# Altium PCB VAMoS Rev C.PcbDoc (part 1 of 2) (continued)
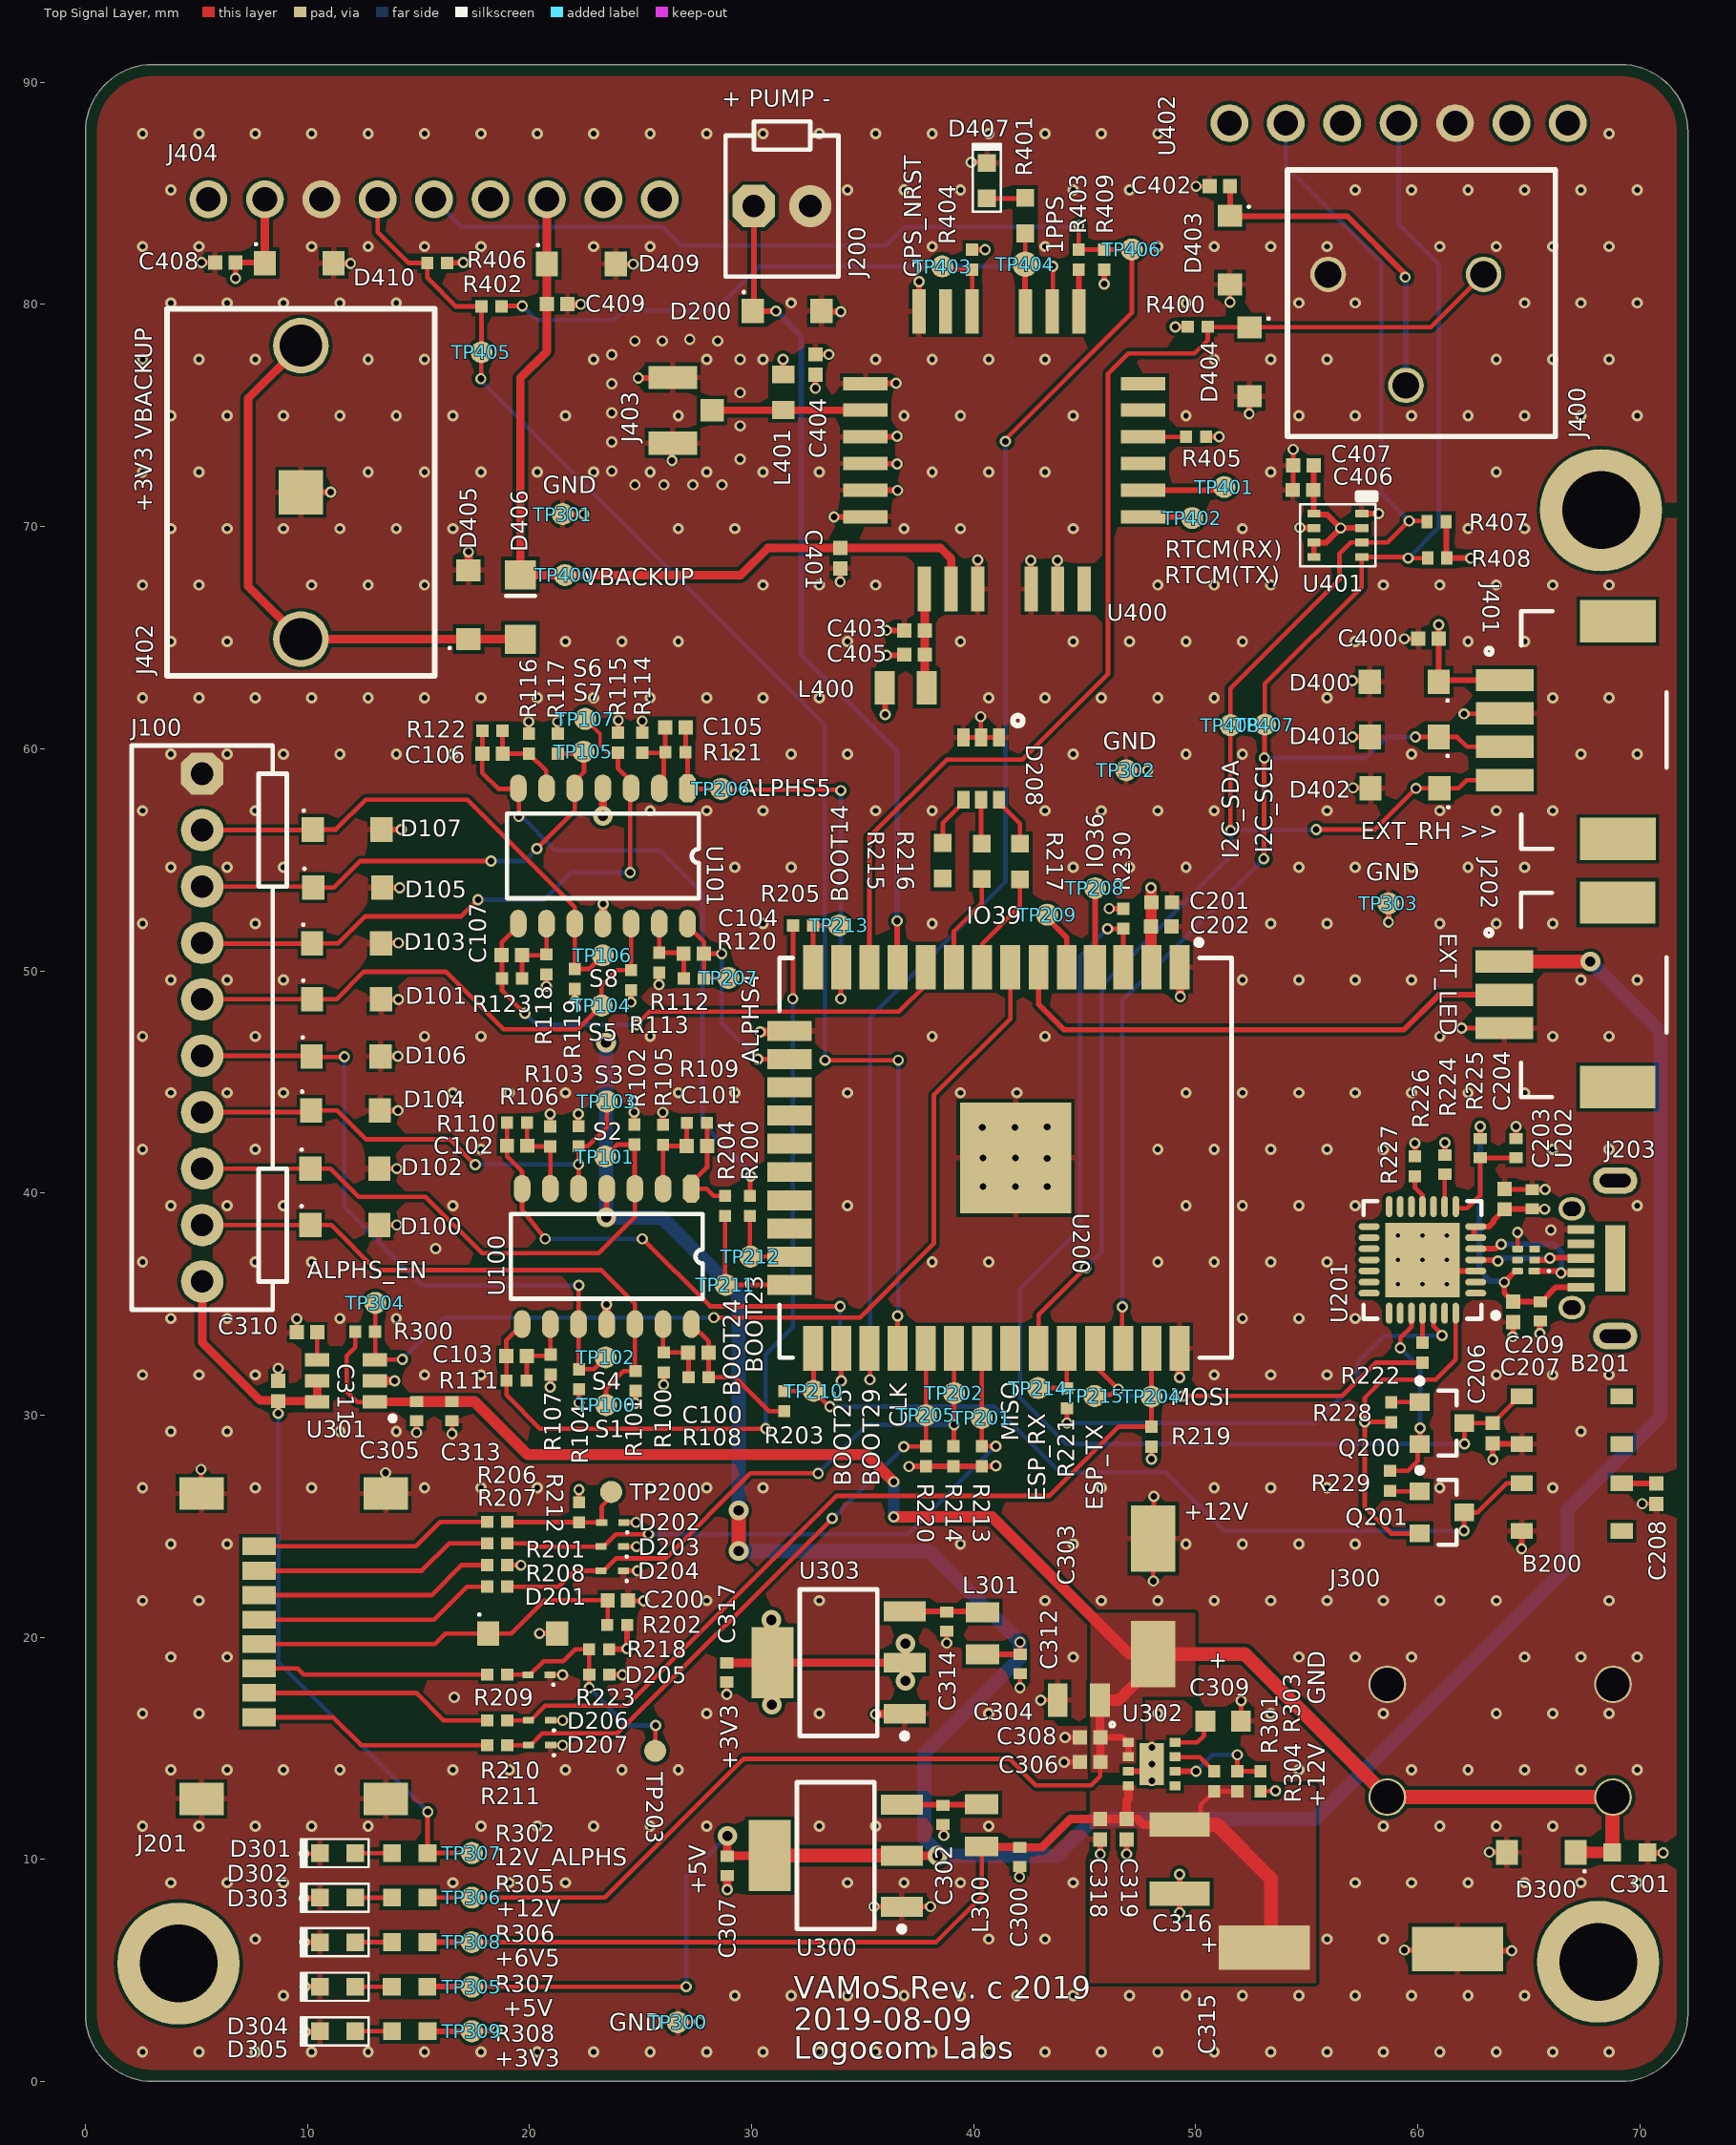
[diagram p0: Top Signal Layer view]
## Part data (continued)
  D301 D302 D303 D304 D305: Digikey PN=511-1578-1-ND
D406: library part "Diode 300mA Gen Purp", "300mA General Purpose", Manufacturer="Diodes Incorporated", Manufacturer Part Number=1N4148W-7-F, Supplier 1=Digi-Key, Supplier Part Number 1=1N4148W-FDICT-ND
J100: library part CON10, "Connector  Phoenix 10 pin", Manufacturer=Molex, Manufacturer Part Number=0022053101, Supplier Part Number 1=WM4308-ND, Supplier 1=Digi-Key
J200: library part CON2, "Connector 2 pin", Manufacturer=Molex, Manufacturer Part Number=0022232023, Supplier Part Number 1=WM19468-ND, Supplier 1=Digi-Key
J201: library part CON12, Manufacturer=Molex, Manufacturer Part Number=0472192001, Supplier Part Number 1=WM6698CT-ND, Supplier 1=Digi-Key
J202: library part "CONN: 3x1", Manufacturer=Molex, Supplier Part Number 1=WM14461CT-ND, Manufacturer Part Number=5025840370, Supplier 1=Digi-Key
J203: library part "USB Shield", Manufacturer=CUI, Manufacturer Part Number=UJ2-MIBH2-4-SMT-TR, Supplier Part Number 1=102-4007-1-ND, Supplier 1=Digi-Key
J300: library part "TERM BLOCK 2POS 45DEG 5.08MM", "5.08mm Spring Cage, Tension Clamp, Pheonix Contact, 2pos, THD", Manufacturer="Phoenix Contact", Supplier Part Number 1=277-6722-ND, Manufacturer Part Number=1790283, Supplier 1=Digi-Key
J400: library part "3POS PHOENIX 1985205", "3POS,THD,TENSION CLAMP,PHOENIX CONTACT", Manufacturer="Phoenix Contact", Supplier Part Number 1=277-1623-ND, Manufacturer Part Number=1985205, Supplier 1=Digi-Key
J401: library part "CONN: 4X1", Manufacturer=Molex, Supplier Part Number 1=WM10615CT-ND, Manufacturer Part Number=502584-0470, Supplier 1=Digi-Key
J402: library part "30mm Coin Cell Holder", "DigiKey # 36-2997-ND", Manufacturer="Keystone Electronics", Manufacturer Part Number=2997, Supplier Part Number 1=36-2997-ND, Supplier 1=Digi-Key
J403: library part "uFl Connector", "CONUFL001-SMD-T", Manufacturer="Linx Technologies", Supplier Part Number 1=CONUFL001-SMD-TCT-ND, Manufacturer Part Number=CONUFL001-SMD-T, Supplier 1=Digi-Key
J404: library part "MOLEX HEADER 9", "0.100\" Female Header", Manufacturer=Sullins, Supplier Part Number 1=S7042-ND, Manufacturer Part Number=PPPC091LFBN-RC, Supplier 1=Digi-Key
L300 L301 L400: library part Ferrite_MH2029_0805, "Ferrite,SMD,3A,30Ohm,0805", Current Rating (Max)=3A, DC Resistance (DCR) (Max)="25 mOhm", Impedance @ Frequency="30 Ohm @ 100MHz", Manufacturer="Bourns Inc.", Manufacturer Part Number=MH2029-300Y, Operating Temperature="-55°C ~ 125°C", Package / Case="0805 (2012 Metric)", Package Quantity=1, Ratings=-, Supplier Part Number 1=MH2029-300YCT-ND, Category=Filters, ComponentLink1Description=http://www.bourns.com/docs/Product-Datasheets/mh.pdf, ComponentLink1URL=http://www.bourns.com/docs/Product-Datasheets/mh.pdf, ComponentLink2Description=https://www.arrow.com/en/products/mh2029-300y/bourns/, ComponentLink2URL=https://www.arrow.com/en/products/mh2029-300y/bourns/, Filter Type="Power, Signal Line", Height (Max)="0.043\" (1.10mm)", ID=1851582, Mounting Type="Surface Mount", Number of Lines=1, Packaging="Cut Tape (CT)", Pricing="1=0.14, 10=0.087, 25=0.08, 50=0.072, 100=0.0529, 250=0.03844, 500=0.03524, 1000=0.03043 (CAD)", RoHS="RoHS Compliant", Size / Dimension="0.079\" L x 0.047\" W (2.00mm x 1.20mm)", Stock=27744, Supplier 1=Digi-Key, Supplier 2=Arrow, Supplier Part Number 2=m2dWQtYZmUCQVruAmfTV4mDHm8tZpH9KPPdphe4ib-E
L401: library part Inductor_33nH, "Fixed Inductor,SMD,33nH,550mA,132mOhmDCR,2.5GHz,0603", Manufacturer=Murata, Manufacturer Part Number=LQW18AN33NJ10D, Supplier Part Number 1=490-6885-1-ND, Supplier 1=Digi-Key
Q200 Q201: library part CMP-1048-00571-1, "General Purpose Transistor, NPN Silicon, 3-Pin SOT-23, Tape and Reel", Manufacturer="Comchip Technology", Supplier Part Number 1=641-1790-1-ND, ComponentLink1Description="Manufacturer URL", ComponentLink1URL=http://www.onsemi.com/, ComponentLink2Description=Datasheet, ComponentLink2URL=http://www.onsemi.cn/pub_link/Collateral/MMBT2222LT1-D.PDF, ComponentLink3Description="Package Specification", ComponentLink3URL=http://www.onsemi.cn/pub_link/Collateral/318-08.PDF, Manufacturer Part Number=SS8050-G, Supplier 1=Digi-Key
R100 R105 R106 R107 R112 R114 R116 R118: library part 1K00_0603_0.1W, "RES 1K Ohm ±5%, 0.25W,1/4W 0603", Manufacturer=Panasonic, Manufacturer Part Number=ERJ-2RKF1001X, Supplier Part Number 1=P1.00KLCT-ND, ComponentLink1Description=https://datasheet.ciiva.com/2469/esr-2469603.pdf, ComponentLink1URL=https://datasheet.ciiva.com/2469/esr-2469603.pdf, ComponentLink2Description=https://datasheet.ciiva.com/2469/esr-2469604.pdf, ComponentLink2URL=https://datasheet.ciiva.com/2469/esr-2469604.pdf, ComponentLink3Description=https://datasheet.ciiva.com/2469/esr-2469605.pdf, ComponentLink3URL=https://datasheet.ciiva.com/2469/esr-2469605.pdf, Supplier 1=Digi-Key
R101 R102 R103 R104 R113 R115 R117 R119: library part 4R99_0603_1/4W, "Res,SMD,4R99,1/4W,5%", Manufacturer=Stackpole, Manufacturer Part Number=RMCF0402FT4R99, Supplier Part Number 1=RMCF0402FT4R99CT-ND, Supplier 1=Digi-Key
R108 R109 R110 R111 R120 R121 R122 R123: library part 22K_0603_1/4W, "Res,SMD,22k,0603,5%,1/4W", Manufacturer=Panasonic, Manufacturer Part Number=ERJ-2RKF2202X, Supplier Part Number 1=P22.0KLDKR-ND, Supplier 1=Digi-Key
R200 R201 R202 R203 R204 R205 R206 R207 R208 R209 R210 R211 R221 R222 R223: Manufacturer=Panasonic, Manufacturer Part Number=ERJ-2GE0R00X, Supplier Part Number 1=P0.0JCT-ND, Distributor=Digi-Key, Supplier 1=Digi-Key
R212 R213 R214 R218 R219 R220: library part 1K00_0603_0.1W, "RES 1K Ohm ±5%, 0.25W,1/4W 0603", Manufacturer=N/A, ComponentLink1Description=https://datasheet.ciiva.com/2469/esr-2469603.pdf, ComponentLink1URL=https://datasheet.ciiva.com/2469/esr-2469603.pdf, ComponentLink2Description=https://datasheet.ciiva.com/2469/esr-2469604.pdf, ComponentLink2URL=https://datasheet.ciiva.com/2469/esr-2469604.pdf, ComponentLink3Description=https://datasheet.ciiva.com/2469/esr-2469605.pdf, ComponentLink3URL=https://datasheet.ciiva.com/2469/esr-2469605.pdf, Manufacturer Part Number=N/A, Supplier 1=N/A, Supplier Part Number 1=N/A
R215: library part 1K00_0603_0.1W, "RES 1K Ohm ±5%, 0.25W,1/4W 0603", Manufacturer=Rohm, Manufacturer Part Number=ESR03EZPJ102, Operating Temperature="-55°C ~ 155°C", Package / Case="0603 (1608 Metric)", Power (Watts)="0.25W, 1/4W", Resistance (Ohms)=1k, Standard Package=1, Supplier Part Number 1=RHM1.0KDCT-ND, Temperature Coefficient=±200ppm/°C, Tolerance=±5%, Category=Resistors, ComponentLink1Description=https://datasheet.ciiva.com/2469/esr-2469603.pdf, ComponentLink1URL=https://datasheet.ciiva.com/2469/esr-2469603.pdf, ComponentLink2Description=https://datasheet.ciiva.com/2469/esr-2469604.pdf, ComponentLink2URL=https://datasheet.ciiva.com/2469/esr-2469604.pdf, ComponentLink3Description=https://datasheet.ciiva.com/2469/esr-2469605.pdf, ComponentLink3URL=https://datasheet.ciiva.com/2469/esr-2469605.pdf, Composition="Thick Film", EDA / CAD Models="Download from Accelerated Designs", Family="Chip Resistor - Surface Mount", Featured Product="ROHM Chip Resistors", Features="Automotive AEC-Q200, Pulse Withstanding", Height="0.022\" (0.55mm)", Number of Terminations=2, Online Catalog="ESR03 Series", Other Names=RHM1.0KDDKR, Packaging="Cut Tape (CT)", Pricing 1="1=0.11, 10=0.098, 100=0.0378, 1000=0.0166, 2500=0.0144 (USD)", Product Training Modules="Resistor Products Overview", Series=ESR, Size / Dimension="0.063\" L x 0.031\" W (1.60mm x 0.80mm)", Stock 1=63701, Supplier 1=Digi-Key, Supplier Device Package="0603 (1608 Metric)", TZOA PN=209-00007
R216: library part 3K16_Resistor_0603, "Res,SMD,1/10W,3K16,0603,1%", Manufacturer="Stackpole Electronics", Manufacturer Part Number=RMCF0603FT3K16, Supplier Part Number 1=RMCF0603FT3K16CT-ND, Supplier 1=Digi-Key, Supplier 2=Arrow, Supplier Part Number 2=RMCF0603FT3K16
R217: library part 4K53_Resistor_0603, "Res,SMD,4K53,1/10W,1%,0603", Manufacturer=Yageo, Manufacturer Part Number=RC0603FR-074K53L, Supplier Part Number 1=311-4.53KHRCT-ND, Supplier 1=Digi-Key, Supplier 2=Arrow, Supplier Part Number 2=RC0603FR-074K53L
R224: library part 22K_0603_1/4W, "Res,SMD,22k,0603,5%,1/4W", Manufacturer=Panasonic, Manufacturer Part Number=ERJ-2RKF2212X, Supplier Part Number 1=P22.1KLCT-ND, Supplier 1=Digi-Key
R225: library part 22K_0603_1/4W, "Res,SMD,22k,0603,5%,1/4W", Manufacturer=Panasonic, Manufacturer Part Number=ERJ-2RKF4752X, Supplier Part Number 1=P47.5KLCT-ND, Supplier 1=Digi-Key
R226 R407 R408: library part 1K00_0603_0.1W, Manufacturer=Panasonic, Manufacturer Part Number=ERJ-2RKF2001X, Supplier Part Number 1=P2.00KLDKR-ND, ComponentLink1Description=https://datasheet.ciiva.com/2469/esr-2469603.pdf, ComponentLink1URL=https://datasheet.ciiva.com/2469/esr-2469603.pdf, ComponentLink2Description=https://datasheet.ciiva.com/2469/esr-2469604.pdf, ComponentLink2URL=https://datasheet.ciiva.com/2469/esr-2469604.pdf, ComponentLink3Description=https://datasheet.ciiva.com/2469/esr-2469605.pdf, ComponentLink3URL=https://datasheet.ciiva.com/2469/esr-2469605.pdf, Supplier 1=Digi-Key
R227: Manufacturer=N/A, Distributor=N/A, Manufacturer Part Number=N/A, Supplier 1=N/A, Supplier 1 Part Number=N/A
R228 R229 R230 R300 R400: Manufacturer=Panasonic, Manufacturer Part Number=ERJ-2RKF1002X, Supplier Part Number 1=P10.0KLCT-ND, Distributor=Digi-Key, Supplier 1=Digi-Key
R301: library part 100K_0603_0.1W, "Res,SMD,0603,1/10W,100K,1%", Manufacturer="Panasonic Electronic Components", Manufacturer Part Number=ERJ-2RKF1003X, Supplier Part Number 1=P100KLCT-ND, ComponentLink1Description=http://industrial.panasonic.com/www-cgi/jvcr13pz.cgi?E+PZ+3+AOA0002+ERJ3EKF1003V+7+WW, ComponentLink1URL=http://industrial.panasonic.com/www-cgi/jvcr13pz.cgi?E+PZ+3+AOA0002+ERJ3EKF1003V+7+WW, ComponentLink2Description=https://www.arrow.com/en/products/erj3ekf1003v/panasonic/, ComponentLink2URL=https://www.arrow.com/en/products/erj3ekf1003v/panasonic/, Supplier 1=Digi-Key
R302 R305: library part 1K00_0603_0.1W, "RES 1K Ohm ±5%, 0.25W,1/4W 0603", Manufacturer=Yageo, Manufacturer Part Number=RC0603FR-071K2L, Resistance (Ohms)=1k, Supplier Part Number 1=311-1.20KHRCT-ND, ComponentLink1Description=https://datasheet.ciiva.com/2469/esr-2469603.pdf, ComponentLink1URL=https://datasheet.ciiva.com/2469/esr-2469603.pdf, ComponentLink2Description=https://datasheet.ciiva.com/2469/esr-2469604.pdf, ComponentLink2URL=https://datasheet.ciiva.com/2469/esr-2469604.pdf, ComponentLink3Description=https://datasheet.ciiva.com/2469/esr-2469605.pdf, ComponentLink3URL=https://datasheet.ciiva.com/2469/esr-2469605.pdf, Supplier 1=Digi-Key
R303: library part 71K5_0603_1/10W, "RES SMD 71.5K OHM 1% 1/10W 0603", Manufacturer="Panasonic Electronic Components", Manufacturer Part Number=ERJ-2RKF7152X, Supplier Part Number 1=P71.5KLCT-ND, Supplier 1=Digi-Key
R304: library part 1K00_0603_0.1W, "RES 1K Ohm ±5%, 0.25W,1/4W 0603", Manufacturer=Panasonic, Manufacturer Part Number=ERJ-2RKF1002X, Supplier Part Number 1=P10.0KLCT-ND, ComponentLink1Description=https://datasheet.ciiva.com/2469/esr-2469603.pdf, ComponentLink1URL=https://datasheet.ciiva.com/2469/esr-2469603.pdf, ComponentLink2Description=https://datasheet.ciiva.com/2469/esr-2469604.pdf, ComponentLink2URL=https://datasheet.ciiva.com/2469/esr-2469604.pdf, ComponentLink3Description=https://datasheet.ciiva.com/2469/esr-2469605.pdf, ComponentLink3URL=https://datasheet.ciiva.com/2469/esr-2469605.pdf, Supplier 1=Digi-Key
R306 R307: library part 1K00_0603_0.1W, "RES 1K Ohm ±5%, 0.25W,1/4W 0603", Manufacturer=Rohm, Manufacturer Part Number=RC0603FR-07560RL, Resistance (Ohms)=1k, Supplier Part Number 1=311-560HRCT-ND, ComponentLink1Description=https://datasheet.ciiva.com/2469/esr-2469603.pdf, ComponentLink1URL=https://datasheet.ciiva.com/2469/esr-2469603.pdf, ComponentLink2Description=https://datasheet.ciiva.com/2469/esr-2469604.pdf, ComponentLink2URL=https://datasheet.ciiva.com/2469/esr-2469604.pdf, ComponentLink3Description=https://datasheet.ciiva.com/2469/esr-2469605.pdf, ComponentLink3URL=https://datasheet.ciiva.com/2469/esr-2469605.pdf, Supplier 1=Digi-Key
R308 R401: library part 1K00_0603_0.1W, "RES 1K Ohm ±5%, 0.25W,1/4W 0603", Manufacturer=Rohm, Manufacturer Part Number=RC0603FR-07330RL, Resistance (Ohms)=1k, Supplier Part Number 1=311-330HRCT-ND, ComponentLink1Description=https://datasheet.ciiva.com/2469/esr-2469603.pdf, ComponentLink1URL=https://datasheet.ciiva.com/2469/esr-2469603.pdf, ComponentLink2Description=https://datasheet.ciiva.com/2469/esr-2469604.pdf, ComponentLink2URL=https://datasheet.ciiva.com/2469/esr-2469604.pdf, ComponentLink3Description=https://datasheet.ciiva.com/2469/esr-2469605.pdf, ComponentLink3URL=https://datasheet.ciiva.com/2469/esr-2469605.pdf, Supplier 1=Digi-Key
R402 R403: library part 1K00_0603_0.1W, "RES 1K Ohm ±5%, 0.25W,1/4W 0603", Manufacturer=Panasonic, Manufacturer Part Number=ERJ-2RKF4700X, Supplier Part Number 1=P470LCT-ND, ComponentLink1Description=https://datasheet.ciiva.com/2469/esr-2469603.pdf, ComponentLink1URL=https://datasheet.ciiva.com/2469/esr-2469603.pdf, ComponentLink2Description=https://datasheet.ciiva.com/2469/esr-2469604.pdf, ComponentLink2URL=https://datasheet.ciiva.com/2469/esr-2469604.pdf, ComponentLink3Description=https://datasheet.ciiva.com/2469/esr-2469605.pdf, ComponentLink3URL=https://datasheet.ciiva.com/2469/esr-2469605.pdf, Supplier 1=Digi-Key
R404 R405 R406 R409: library part 1K00_0603_0.1W, "RES 1K Ohm ±5%, 0.25W,1/4W 0603", Manufacturer=Panasonic, Manufacturer Part Number=ERJ-2RKF1002X, Supplier Part Number 1=P10.0KLDKR-ND, ComponentLink1Description=https://datasheet.ciiva.com/2469/esr-2469603.pdf, ComponentLink1URL=https://datasheet.ciiva.com/2469/esr-2469603.pdf, ComponentLink2Description=https://datasheet.ciiva.com/2469/esr-2469604.pdf, ComponentLink2URL=https://datasheet.ciiva.com/2469/esr-2469604.pdf, ComponentLink3Description=https://datasheet.ciiva.com/2469/esr-2469605.pdf, ComponentLink3URL=https://datasheet.ciiva.com/2469/esr-2469605.pdf, Supplier 1=Digi-Key
TP100 TP101 TP102 TP103 TP104 TP105 TP106 TP107 TP200 TP201 TP202 TP203 TP204 TP205 TP206 TP207 TP208 TP209 TP210 TP211 TP212 TP213 TP214 TP215 TP300 TP301 TP302 TP303 TP304 TP305 TP306 TP307 TP308 TP309 TP400 TP401 TP402 TP403 TP405 TP406 TP407 TP408: library part TP_SMD_39MIL, "SMD Test Pad", Manufacturer="No P/N Required", Fast Supplier="No P/N Required", Fast Supplier P/N="No P/N Required", Manufacturer P/N="No P/N Required", P/N="No P/N", UM=EA
TP404: library part TP_SMD_45MIL, "SMD Test Pad", Manufacturer="No P/N Required", Fast Supplier="No P/N Required", Fast Supplier P/N="No P/N Required", Manufacturer P/N="No P/N Required", P/N="No P/N", UM=EA
U100 U101: "Quad opamplifiers", Manufacturer="Texas Instruments", Manufacturer Part Number=LMC660CMX/NOPB, Supplier Part Number 1=LMC660CMX/NOPBCT-ND, Supplier 1=Digi-Key
U200: library part CMP-2000-07454-1, "Espressif System, 2.7 to 3.6 V, -40 to 85 degC, 38-Pin SMD", Manufacturer="Espressif Systems", Manufacturer Part Number=ESP32-WROOM-32U, Package Description="38-Pin Surface Mount Device, Body 18 x 25.5 mm, Pitch 1.27 mm", Package Reference=ESP-WROOM-32, Supplier Part Number 1=1904-1026-1-ND, Datasheet URL=http://www.espressif.com/sites/default/files/documentation/esp-wroom-32_datasheet_en.pdf, Datasheet Version="Rev. 2.1, 09/2017", Manufacturer URL=https://www.olimex.com, Mounting Technology=SurfaceMount, RoHSCompliant=false, Supplier 1=Digi-Key
U201: library part "CP2102N QFN28", "USB to UART converter", Manufacturer="Silicon Labs", Supplier Part Number 1=336-4738-1-ND, Manufacturer Part Number=CP2102N-A01-GQFN28R, Supplier 1=Digi-Key
U202: library part CMP-0326-00038-3, "USB ESD Solution with Power Clamp, 4 Channels, -40 to +85 degC, 6-pin SON (DRY), Green (RoHS & no Sb/Br)", Breakdown Voltage(Min)(V)=6, IO Capacitance(Typ)(pF)=0.8, IO Leakage Current(nA)=10, Manufacturer="Texas Instruments", Supplier Part Number 1=296-24244-1-ND, ComponentLink1Description="Manufacturer URL", ComponentLink1URL=http://www.ti.com/, ComponentLink2Description=Datasheet, ComponentLink2URL=http://www.ti.com/general/docs/lit/getliterature.tsp?genericPartNumber=TPD4S012&fileType=pdf, ComponentLink3Description="URL Link1", ComponentLink3URL=SamplesURL:http://www.ti.com/product/tpd4s012#samples, DatasheetVersion=SLVS928A, Eco-Plan="Green (RoHS & no Sb/Br)", IEC 61000-4-2 Air-Gap(+/- kV)=10, IEC 61000-4-2 Contact(+/- kV)=10, Manufacturer Part Number=TPD4S012DRYR, Mounting Technology="Surface Mount", PackageDescription="6-Pin Plastic Small Outline No-Lead, 1 x 1.45 x 0.6 mm Body, 0.5 mm Pitch", PackageReference=DRY0006A, PackageVersion="revF, Dec-2011", PartNumber=TPD4S012DRYR, SubFamily="ESD Solution", Supplier 1=Digi-Key, USB High Speed=TRUE
U300: library part ZLDO1117, "1A 3.3V LDO", Manufacturer="Diodes Incorporated", Supplier Part Number 1=ZLDO1117G50DICT-ND, Manufacturer Part Number=ZLDO1117G50TA, Supplier 1=Digi-Key
U301: "High Side Load Switch", Manufacturer="Texas Instruments", Supplier Part Number 1=296-45297-1-ND, Manufacturer Part Number=TPS22810DBVR, Supplier 1=Digi-Key
U302: "DC-DC: 0.9-6V 2A output, 3-17V input. Non-isolated.", Manufacturer="Texas Instruments", Manufacturer Part Number=TPS82140SILT, Supplier Part Number 1=296-47089-1-ND, ComponentLink1Description=wefwef, ComponentLink1URL=https://www.digikey.ca/product-detail/en/texas-instruments/TPS82140SILT/296-47089-1-ND/7596470, Supplier 1=Digi-Key
U303: library part ZLDO1117, "1A 3.3V LDO", Manufacturer="Diodes Incorporated", Supplier Part Number 1=ZLDO1117QG33TADICT-ND, Manufacturer Part Number=ZLDO1117QG33TA, Supplier 1=Digi-Key
U400: "GPS Module", Manufacturer="Sierra Wireless", Manufacturer Part Number=XA1100_1103872, Supplier Part Number 1=1645-1094-1-ND, Supplier 1=Digi-Key
U401: "SENSOR Humidity Temperature 0 ~ 100% RH I²C SPI ±3% 1s 8-Pin LGA", Manufacturer=Bosch, Supplier Part Number 1=828-1063-1-ND, Manufacturer Part Number=BME280, Supplier 1=Digi-Key
U402: library part "MOLEX HEADER 7", "0.100\" Female Header", Manufacturer=Molex, Supplier Part Number 1=S7040-ND, Manufacturer Part Number=PPPC071LFBN-RC, Supplier 1=Digi-Key

## Free pads (board coordinates)
  round 5.5 hole 3.5: 0(4.191,5.309) 0(68.123,5.385) 0(68.25,70.739)

## Via types
v1: diameter 0.508, hole 0.254, Top Signal Layer to Bottom Signal Layer, tented both sides, 474 vias
v2: diameter 0.508, hole 0.305, Top Signal Layer to Bottom Signal Layer, tented both sides, 245 vias
v3: diameter 0.889, hole 0.457, Top Signal Layer to Bottom Signal Layer, tented both sides, 10 vias
v4: diameter 0.5, hole 0.2, Top Signal Layer to Bottom Signal Layer, tented both sides, 9 vias
v5: diameter 0.508, hole 0.305, Top Signal Layer to Bottom Signal Layer, tented bottom, 6 vias
v6: diameter 0.508, hole 0.305, Top Signal Layer to Bottom Signal Layer, 3 vias
v7: diameter 0.889, hole 0.457, Top Signal Layer to Bottom Signal Layer, 2 vias

## Nets (pads, with @x,y where several pads share a name; then routed paths per layer and width w, separated by ;. In a path a pad name is that pad's centre, name@x,y a point inside that pad or via, vN(x,y) a via of type N, cw(c..) or ccw(c..) an arc to the next point about the centre after c; other vN are vias at no path point)
3V3: C201.2 C202.1 C203.2 C204.1 C317.2 C400.2 C402.2 C404.1 C406.2 C407.2 C408.2 D400.1 D403.1 D410.1 J400.2 J401.1 J404.8 L400.1 L401.2 R202.1 R212.2 R213.2 R214.2 R218.2 R219.2 R220.2 R226.1 R230.1 R308.2 R400.2 R404.2 R406.2 R407.2 R408.2 R409.2 TP309.1 U200.2 U201.6 U201.7 U303.2 U401.2 U401.5 U401.6 U401.8 U402.1 | length 73.3
  Top Signal Layer w0.203: v2(48.006,28.016) R219.2@48.006,28.582 ; D400.1@60.935,63.017 60.935,62.89 D400.1@61.112,62.713
  Top Signal Layer w0.254: v2(6.756,81.178) 6.758,81.18 6.758,81.888 C408.2@6.759,81.89 8.051,81.89 D410.1@8.077,81.864 ; R308.2@15.405,2.261 TP309.1@17.399,2.261 17.412,2.273 18.504,2.273 v2(18.517,2.286) ; R406.2@16.292,81.864 16.305,81.877 16.998,81.877 v2(17.011,81.89) ; R212.2@22.225,26.071 v2(22.225,26.645) ; R218.2@23.582,19.456 23.595,19.469 24.371,19.469 v2(24.384,19.482) 24.39,19.487 24.39,20.543 R202.1@24.395,20.549 ; L401.2@31.42,76.848 v2(31.42,77.521) ; v2(32.868,76.225) C404.1@32.868,76.832 ; v2(36.017,61.544) 36.017,62.674 L400.1@36.082,62.738 ; v2(37.084,27.686) 37.088,27.69 37.842,27.69 R220.2@37.846,27.693 R214.2@39.091,27.693 R213.2@40.361,27.693 40.37,27.702 40.986,27.702 v2(40.996,27.711) ; R404.2@39.929,82.467 39.932,82.47 40.509,82.47 v2(40.513,82.474) ; v2(45.872,80.924) R409.2@45.872,81.567 ; v2(46.101,52.807) 46.105,52.803 46.732,52.803 R230.1@46.736,52.799 R230.1@46.74,52.803 ; v2(49.073,78.994) R400.2@49.639,78.994 ; D403.1@51.534,83.975 56.817,83.975 59.426,81.366 v2(59.426,81.229) ; D403.1@51.537,83.998 51.539,84.001 C402.2@51.539,85.319 ; C407.2@55.306,72.75 55.312,72.744 55.312,70.59 U401.8@55.319,70.584 55.367,70.536 55.916,70.536 56.353,70.098 v2@56.522,69.93 ; U401.5@55.319,68.634 U401.6@55.319,69.284 55.876,69.284 v2@56.522,69.93 ; U401.2@57.469,69.934 v2(56.522,69.934) v2@56.522,69.93 ; D400.1@60.935,63.017 60.937,63.02 C400.2@60.937,64.948 60.936,64.949 60.936,65.581 v2(60.935,65.583) ; D400.1@61.112,62.713 61.112,62.893 61.308,63.088 J401.1@63.905,63.088 ; R226.1@61.21,41.705 61.212,41.707 v2(61.214,42.266) v2(61.214,42.266) ; R407.2@61.275,70.229 61.288,70.216 61.288,68.593 R408.2@61.301,68.581 61.302,68.579 v2(62.369,68.578) v2(62.369,68.578) ; U201.6@62.53,37.988 62.53,38.488 62.532,38.49 63.204,38.49 63.406,38.692 63.406,38.773 63.904,39.27 C204.1@63.906,39.267 63.92,39.282 65.137,39.282 C203.2@65.151,39.296 65.164,39.283 65.697,39.283 v2(65.71,39.27)
  Top Signal Layer w0.381: D410.1@8.077,81.864 8.079,81.866 8.079,84.73 J404.8@8.081,84.732 ; C317.2@28.88,18.845 U303.2@30.927,18.845 ; U303.2@30.938,18.856 U303.2@36.888,18.856 ; v3(36.932,18.034) 36.932,18.812 U303.2@36.888,18.856 ; v3(36.932,19.71) 36.932,18.899 U303.2@36.888,18.856
  Top Signal Layer w0.508: v7(30.886,20.777) 30.886,18.907 U303.2@30.938,18.856 30.927,18.845 30.912,18.83 v7(30.912,16.967) ; C202.1@47.978,52 C202.1@47.978,51.994 ; v2(47.981,53.746) 47.992,53.735 47.992,53.097 C201.2@48.003,53.086 47.99,53.073 47.99,52.006 C202.1@47.978,51.994 ; U200.2@48,50.155 47.978,50.177 C202.1@47.978,51.994
  Bottom Signal Layer w0.203: v2(59.426,81.229) 59.461,81.229 v2@59.467,81.229
  Bottom Signal Layer w0.254: J400.2@59.461,76.356 v2@59.461,81.229
+5V: C307.2 C312.2 J202.1 L301.1 R307.2 TP305.1 U100.4 U101.4 U300.2 | length 166.3
  Top Signal Layer w0.203: TP305.1@17.399,4.267 v2(27.051,4.267)
  Top Signal Layer w0.254: R307.2@15.392,4.267 TP305.1@17.399,4.267 ; v3(23.448,38.896) 23.461,38.909 23.461,40.178 U100.4@23.474,40.191 U100.4@23.477,40.194 ; L301.1@40.39,19.227 41.927,19.227 C312.2@41.939,19.214 ; C312.2@42.075,19.218 42.058,19.235 C312.2@42.084,19.26 ; C312.2@42.084,19.313 v2(42.084,19.779)
  Top Signal Layer w0.381: v3(23.302,56.974) U101.4@23.302,58.219 ; v3(28.905,11.057) 28.905,10.173 28.909,10.169 U300.2@30.811,10.169 ; U300.2@36.761,10.169 36.812,10.169 36.821,10.16 v3(38.362,10.16)
  Top Signal Layer w0.508: v3@67.766,50.42 v3(67.767,50.419)
  Top Signal Layer w0.635: v3(29.413,23.876) v3(29.413,25.705) ; U300.2@30.811,10.169 U300.2@36.761,10.169 ; J202.1@63.896,50.42 v3@67.766,50.42
  Power Plane w1.016: v3(23.302,56.974) 21.996,55.669 21.996,51.308 23.448,49.856 23.448,46.765 v3(23.444,46.761)
  Bottom Signal Layer w0.203: v2(27.051,4.267) 27.051,9.203 v3(28.905,11.057)
  Bottom Signal Layer w0.635: v3(23.444,46.761) 23.444,38.9 v3(23.448,38.896) 25.95,38.896 29.413,35.433 v3(29.413,25.705) ; v3(29.413,23.876) 37.987,23.876 v2(42.084,19.779) 42.084,19.071 37.77,14.757 37.77,10.94 38.359,10.351 38.362,10.351 v3(38.362,10.16) 43.735,10.16 45.395,11.819 55.38,11.819 66.726,23.165 66.726,25.73 70.917,29.921 70.917,47.269 v3(67.767,50.419)
+6V5: C300.2 C315.1 C316.1 C318.1 C319.1 L300.1 R301.2 R303.2 R306.2 TP308.1 U302.4 | length 49.3
  Top Signal Layer w0.203: TP308.1@17.399,6.274 38.303,6.274 40.361,8.331 L300.1@40.361,10.582 ; C316.1@49.276,11.563 49.767,11.563 50.216,12.012 50.216,12.453 R301.2@50.825,13.063 R303.2@51.867,13.063
  Top Signal Layer w0.254: R306.2@15.405,6.274 TP308.1@17.399,6.274 ; C300.2@41.923,10.582 C300.2@41.935,10.569
  Top Signal Layer w0.381: L300.1@40.361,10.582 40.382,10.56 42.041,10.56 C300.2@42.062,10.539 43.077,10.539 44.357,11.819 C318.1@45.695,11.819 C319.1@46.879,11.819 ; U302.4@46.965,13.315 46.965,12.725 46.879,12.639 C319.1@46.879,11.819 ; C316.1@49.276,11.563 49.27,11.557 47.65,11.557 47.371,11.836 46.896,11.836 C319.1@46.879,11.819
  Top Signal Layer w0.635: C316.1@49.767,11.563 50.946,11.563 53.384,9.125 53.384,7.112
+12V: C301.2 C303.1 C304.2 C305.2 C306.1 C308.1 C313.2 D300.1 J300.2 R300.2 R305.2 TP306.1 U301.1 U302.1 U302.2 | length 115.3
  Top Signal Layer w0.203: R300.2@12.148,33.757 12.148,33.053 11.76,32.664 11.76,31.064 12.243,30.582 13.02,30.582 U301.1@13.035,30.597 U301.1@13.04,30.602 ; C305.2@14.905,30.602 C305.2@14.91,30.607 ; R305.2@15.405,8.28 TP306.1@17.399,8.28 23.393,8.28 29.642,14.529 41.605,14.529 42.799,13.335 45.288,13.335 45.695,13.741 45.695,14.376 C306.1@45.704,14.386
  Top Signal Layer w0.305: C308.1@45.697,15.494 46.686,15.494 46.915,15.265 U302.1@46.965,15.265 U302.2@46.965,14.615
  Top Signal Layer w0.381: U301.1@13.04,30.602 C305.2@14.905,30.602 ; C304.2@45.679,17.17 45.688,17.161 45.688,15.503 C308.1@45.697,15.494 45.701,15.491 45.701,14.389 C306.1@45.704,14.386
  Top Signal Layer w0.508: C305.2@14.91,30.607 17.526,30.607 19.914,28.219 35.179,28.219 v2(36.398,27) ; v2(36.398,25.425) 40.818,25.425 47.001,19.242 C303.1@48.082,19.242 48.082,18.742 46.827,17.487 46.827,17.468 46.529,17.17 C304.2@45.679,17.17 ; D300.1@67.1,10.27 67.057,10.312 D300.1@67.107,10.362 ; D300.1@67.538,10.363 67.158,10.363 D300.1@67.107,10.312 C301.2@68.745,10.312
  Top Signal Layer w0.635: C303.1@48.082,19.242 52.208,19.242 J300.2@58.496,12.954 ; J300.2@58.623,12.802 J300.2@68.605,12.802 ; C301.2@68.745,10.312 68.764,10.331 68.764,12.783 J300.2@68.783,12.802
  Bottom Signal Layer w0.508: v2(36.398,25.425) v2(36.398,27)
+12V_ALPHS: C311.1 J100.10 R302.2 TP307.1 U301.5 U301.6 | length 35.1
  Top Signal Layer w0.203: v2(8.687,30.074) C311.1@8.687,30.63 C311.1@8.687,30.658 ; v2(15.418,12.141) 15.405,12.128 R302.2@15.405,10.281 15.411,10.287 TP307.1@17.399,10.287
  Top Signal Layer w0.381: J100.10@5.258,36.017 5.258,33.274 7.874,30.658 8.687,30.658 8.717,30.627 10.404,30.627 U301.6@10.435,30.597 U301.5@10.435,31.547
  Bottom Signal Layer w0.203: v2(8.687,30.074) 8.687,18.872 v2(15.418,12.141)
ALPHS0: C100.2 R108.2 R203.2 U100.14 | length 6.8
  Top Signal Layer w0.203: U100.14@27.284,34.095 28.064,33.315 C100.2@28.064,32.807 ; C100.2@28.056,32.807 C100.2@28.064,32.807 ; R203.2@31.471,30.182 30.778,30.182 29.252,31.708 R108.2@28.064,31.708 C100.2@28.064,32.807